# Altium PCB PCBV3.PcbDoc
Units mm, origin at the board's own origin, x right, y up, seen from the top; angles counter-clockwise.
Board outline 240.79 x 92.31 mm, 3 copper layers (Top Layer, Signal Layer 1, Bottom Layer), stack 0.488 mm thick; 105 components, 43 nets, 260 pads, 16 vias.
Unrouted connection lines stored in the file: 3.
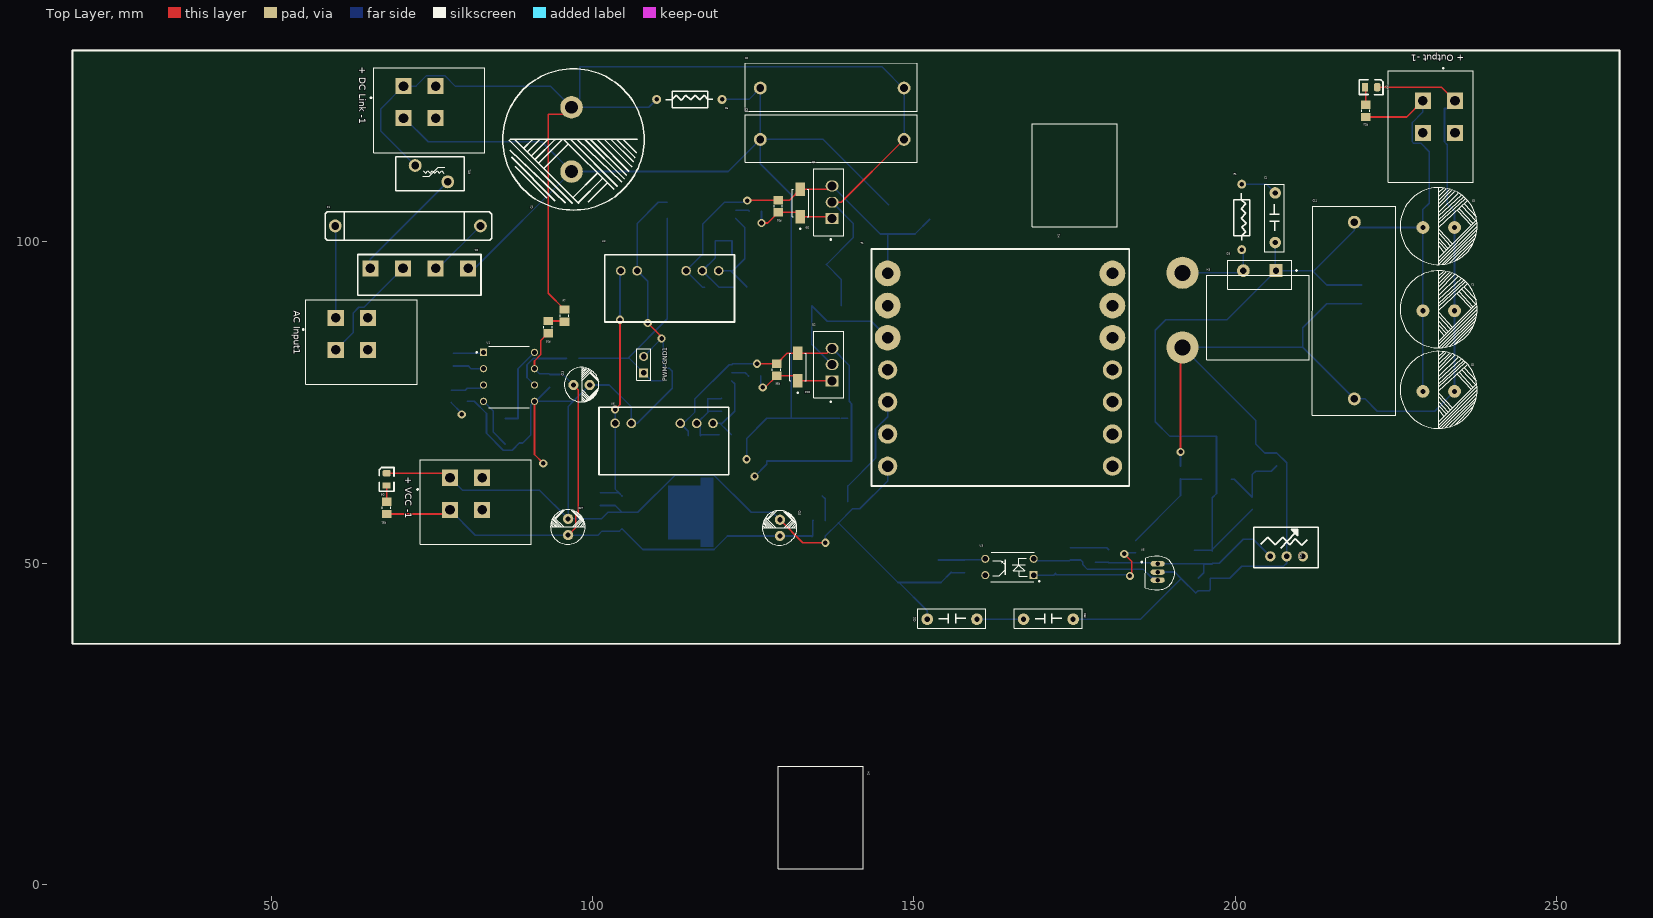
[diagram p0: Top Layer view]
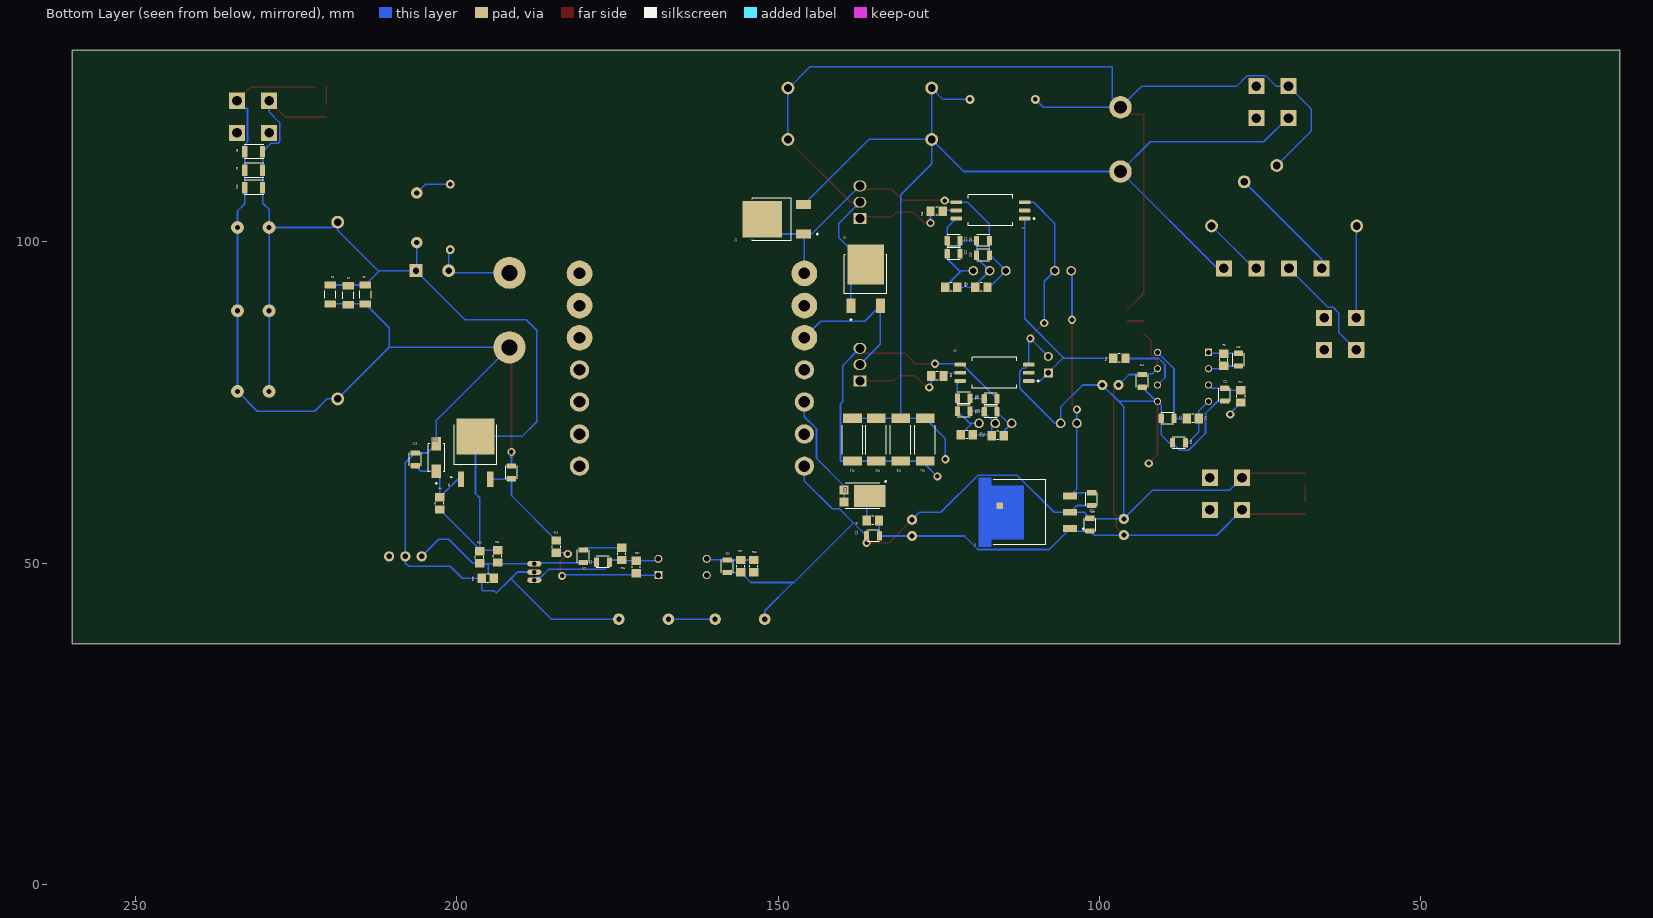
[diagram p1: Bottom Layer view, seen from below]
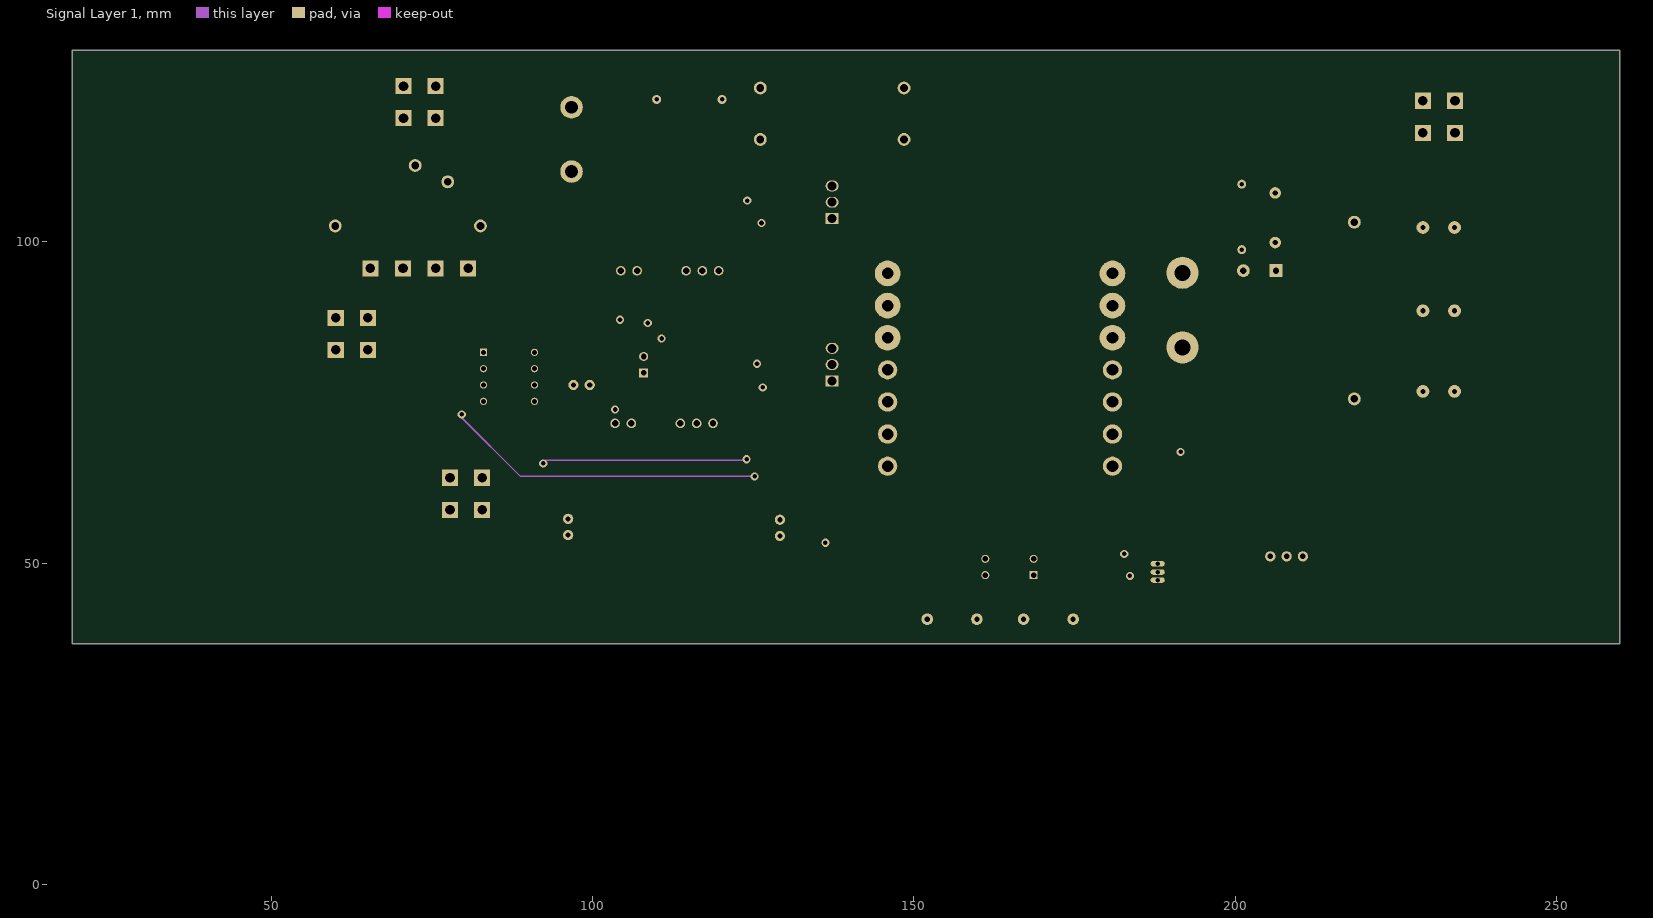
[diagram p2: Signal Layer 1]
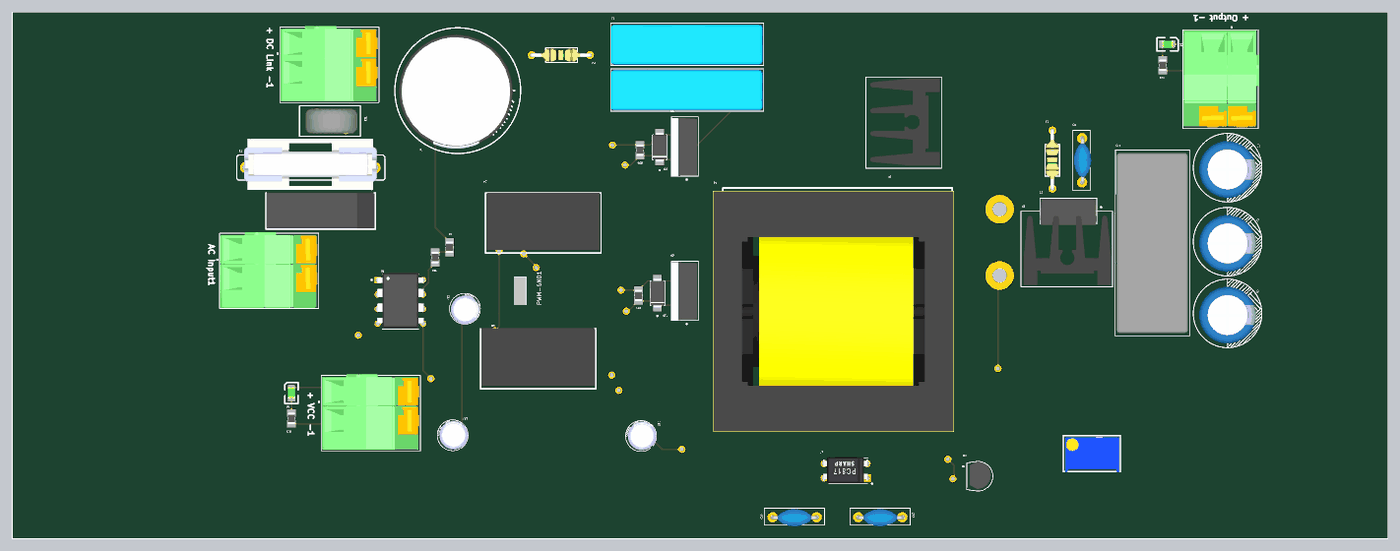
[diagram p3: 3D render of the assembled board from above, using the file's embedded part models]
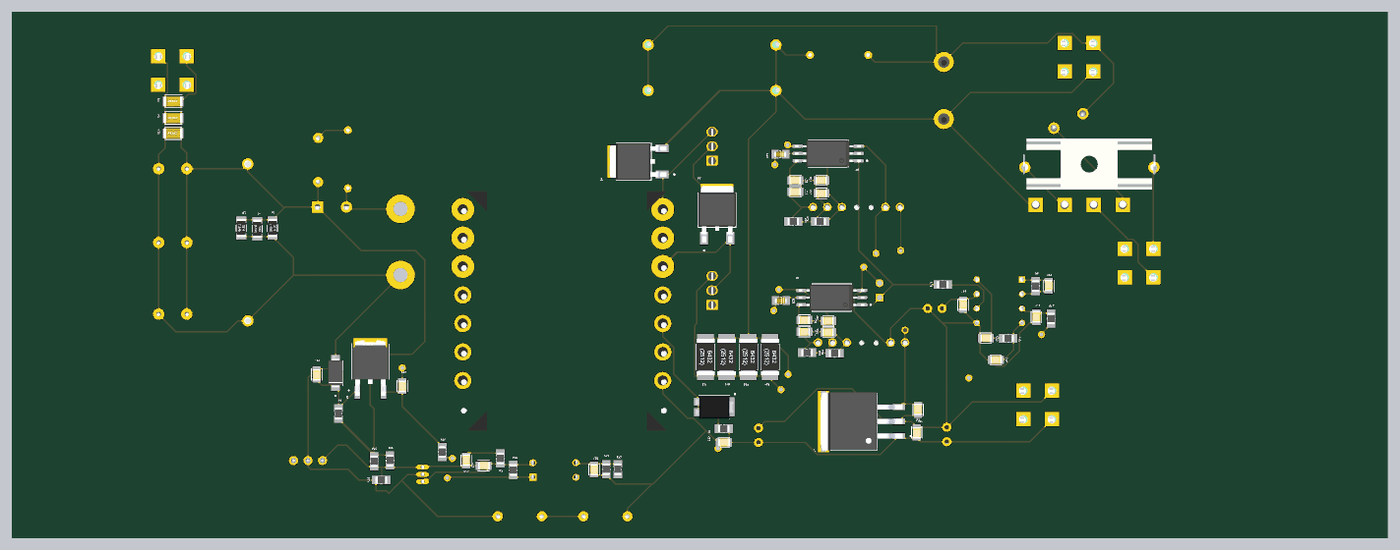
[diagram p4: 3D render of the assembled board from below, using the file's embedded part models]

## Layer stack, top to bottom
Top Solder: solder mask 0.0102, Solder Resist, Dk 3.5
Top Layer: signal copper 0.0356
Dielectric 1: core 0.254, FR-4, Dk 4.2
Signal Layer 1: signal copper 0.036
Dielectric 2: prepreg 0.127, Dk 4.2
Bottom Layer: signal copper 0.0356
Bottom Solder: solder mask 0.0102, Solder Resist, Dk 3.5

## Board outline
19.05,37.482 19.05,129.794 259.842,129.794 259.842,37.482

## Design rules (kind name [scope] priority, off if disabled: settings)
Clearance [All] p1: gap=0.254 ignorepadtopadclearanceinfootprint=FALSE except(0: Arc-Hole Track-Hole SMDPad-Hole THPad-Hole Via-Hole Fill-Hole Poly-Hole Region-Hole Text-Hole)
Height [All] p1: minheight=0 maxheight=404 prefheight=12.7
HoleSize [All] p1: absolutevalues=TRUE maxlimit=3 minlimit=0.025 maxpercent=80.000 minpercent=20.000
MinimumSolderMaskSliver [All] p1: minsoldermaskwidth=0.1
PolygonConnect [All] p1: connectstyle=Relief reliefconductorwidth=0.254 reliefentries=4 polygonreliefangle="90 Angle" airgapwidth=0.254
RoutingVias [All] p1: holewidth=0.711 width=1.27 viastyle="Through Hole" minholewidth=0.711 minwidth=1.27 maxholewidth=0.711 maxwidth=1.27
SilkToSilkClearance [All] p1: silktosilkclearance=0.1
SilkToSolderMaskClearance [IsPad] p1: minsilkscreentomaskgap=0.01 clearancetoexposedcopper=TRUE
SolderMaskExpansion [All] p1: expansion=0.102
Width [All] p1: maxlimit=0.254 minlimit=0.254 preferedwidth=0.254
25 further rules are at their usual default settings.

## Components (designator, comment, footprint, x,y, rotation, side; value= is the part's Value field where it differs from the comment)
"+ DC Link -1" "732-2088-ND" "Phoenix Contact 2x2 Male Straight" 74.39,118.578 r180 top
"+ Output -1" "732-2088-ND" "Phoenix Contact 2x2 Male Straight" 228.56,118.142 r90 top
"+ VCC -1" "732-2088-ND" "Phoenix Contact 2x2 Male Straight" 81.629,57.618 r180 top
"AC Input1" "732-2088-ND" "Phoenix Contact 2x2 Male Straight" 63.849,82.51 r180 top
C1 "(DIGIKEY Part Number)" "Capacitor Polyester High Voltage DIP" 206.248,103.759 r90 top value="33pF, 1000V"
C2 "CBB23" "Capacitor Film DIP 04" 148.111,123.952 r0 top value="100nF, 1000V"
C3 "CBB23" "Capacitor Film DIP 04" 148.111,115.951 r0 top value="100nF, 1000V"
C4 "493-2587-ND" "Capacitor Aluminum Electrolytic DIP 20*36.5*10" 97.028,115.951 r270 top value="470uF, 400V"
C5 "UHV1V271MPD1TA-ND" "Capacitor Aluminum Electrolytic DIP 10*13*5" 231.699,102.464 r0 top value="270uF, 35V"
C6 "UHV1V271MPD1TA-ND" "Capacitor Aluminum Electrolytic DIP 10*13*5" 231.699,76.962 r0 top value="270uF, 35V"
C7 "UHV1V271MPD1TA-ND" "Capacitor Aluminum Electrolytic DIP 10*13*5" 231.699,89.51 r0 top value="270uF, 35V"
C8 "478-KGM21NR71H104JTTR-ND" "Capacitor Ceramic SMD 1206" 231.638,114.046 r180 bottom value="100nF, 50V"
C9 "478-KGM21NR71H104JTTR-ND" "Capacitor Ceramic SMD 1206" 231.638,111.125 r180 bottom value="100nF, 50V"
C10 "478-KGM21NR71H104JTTR-ND" "Capacitor Ceramic SMD 1206" 231.638,108.458 r180 bottom value="100nF, 50V"
C11 "478-KGM21NR71H104JTTR-ND" "Capacitor Film DIP 06" 218.567,75.565 r90 top value="100nF, 50V"
C12 "GRM2195C1H103JA01D" "Capacitor Ceramic SMD 805" 135.255,54.229 r180 bottom value="10nF, 50V"
C13 "732-8851-1-ND" "Capacitor Aluminum Electrolytic DIP 5*7.5*2.5" 98.291,77.781 r0 top value="1uF, 50V"
C14 "399-C0805C104J5RAC7800TR-ND" "Capacitor Ceramic SMD 805" 93.345,78.359 r90 bottom value="0.1uF, 50V"
C15 "P15139-ND" "Capacitor Aluminum Electrolytic DIP 5*7.5*2.5" 129.102,55.492 r90 top value="68uF, 50V"
C16 "490-1642-2-ND" "Capacitor Ceramic SMD 805" 78.359,81.661 r90 bottom value="10nF, 25V"
C17 "478-KGM21NR71H104JTTR-ND" "Capacitor Ceramic SMD 805" 191.516,64.135 r270 bottom value="100nF, 50V"
C18 "KGM21NR71H683JT" "Capacitor Ceramic SMD 805" 206.502,66.167 r270 bottom value="68nF, 50V"
C19 "490-1627-2-ND" "Capacitor Ceramic SMD 805" 87.63,68.707 r180 bottom value="2nF, 25V"
C20 "311-3498-2-ND" "Capacitor Ceramic SMD 805" 89.408,72.517 r180 bottom value="1uF, 20V"
C21 "399-C0805C101J5GAC7800TR-ND" "Capacitor Ceramic SMD 805" 80.518,76.2 r90 bottom value="100pF, 50V"
C22 "C0805C104J5RAC7800" "Capacitor Ceramic SMD 805" 122.682,100.203 r0 bottom value="100nF, 50V"
C23 "CC0805JKX7R9BB105" "Capacitor Ceramic SMD 805" 122.682,98.171 r0 bottom value="1uF, 50V"
C24 "KGM21NR71H683JT" "Capacitor Ceramic SMD 805" 177.292,50.165 r180 bottom value="68 nF, 50V"
C25 "C0805C104J5RAC7800" "Capacitor Ceramic SMD 805" 101.219,59.944 r90 bottom value="100nF, 50V"
C26 "C0805C104J5RAC7800" "Capacitor Ceramic SMD 805" 180.34,51.054 r90 bottom value="100nF, 50V"
C27 "732-8851-1-ND" "Capacitor Aluminum Electrolytic DIP 5*7.5*2.5" 96.139,55.626 r90 top value="1uF, 50V"
C28 "C0805C104J5RAC7800" "Capacitor Ceramic SMD 805" 118.11,97.917 r0 bottom value="100nF, 50V"
C29 "490-18663-2-ND" "Capacitor Ceramic SMD 805" 101.473,56.001 r270 bottom value="10uF, 50V"
C30 "CC0805JKX7R9BB105" "Capacitor Ceramic SMD 805" 118.11,100.203 r0 bottom value="1uF, 50V"
C31 "C0805C104J5RAC7800" "Capacitor Ceramic SMD 805" 157.936,49.53 r270 bottom value="100nF, 50V"
C32 "(DIGIKEY Part Number)" "Capacitor Polyester High Voltage DIP" 155.956,41.275 r0 top value="2.2 nF, 50V"
C33 "(DIGIKEY Part Number)" "Capacitor Polyester High Voltage DIP" 170.942,41.275 r0 top value="2.2nF, 50V"
C34 "C0805C104J5RAC7800" "Capacitor Ceramic SMD 805" 121.102,73.66 r0 bottom value="100nF, 50V"
C35 "CC0805JKX7R9BB105" "Capacitor Ceramic SMD 805" 121.108,75.692 r0 bottom value="1uF, 50V"
C36 "C0805C104J5RAC7800" "Capacitor Ceramic SMD 805" 116.911,73.533 r0 bottom value="100nF, 50V"
C37 "CC0805JKX7R9BB105" "Capacitor Ceramic SMD 805" 116.917,75.565 r0 bottom value="1uF, 50V"
D1 "31-GBU10V08-TU-ND" "Bridge Rectifier 1Phase 600V 10A GBJ" 73.025,95.885 r180 top
D2 "DSEP6-06AS-TRL" "Diode SMD TO-252 (DPAK)" 136.398,94.234 r90 bottom
D3 "MBR10150_T0" "Diode DIP ITO-220AC" 203.835,94.869 r180 top
D4 "DSEP6-06AS-TRL" "Diode SMD TO-252 (DPAK)" 150.241,103.505 r0 bottom
D5 "PDS3100-13" "Diode SMD POWERDI5" 136.883,60.452 r180 bottom
D6 "BZT52C20-7-F" "Diode Zener SMD DO-214AC" 203.2,66.421 r90 bottom
D7 "L62505TR-ND" "LED SMD 805 01" 221.173,124.079 r90 top
D8 "L62505TR-ND" "LED SMD 805 01" 67.945,63.039 r180 top
D9 "BZT52C18-7-F" "Diode Zener SMD DO-214AC" 132.334,106.045 r90 top
D10 "BZT52C18-7-F" "Diode Zener SMD DO-214AC" 131.953,80.518 r90 top
F1 "F1730-ND" "Fuse Full DIP 02" 59.944,102.489 r0 top
H1 "(DIGIKEY Part Number)" "HEATSINK 05" 179.578,117.475 r270 top
H2 "(DIGIKEY Part Number)" "HEATSINK 05" 140.081,17.526 r270 top
H3 "(DIGIKEY Part Number)" "HEATSINK 05" 210.693,83.693 r180 top
PWM-GND1 "A105225-ND" "Header 01 1x2" 107.95,80.899 r180 top
Q1 "IPP50R280CEXKSA1-ND" "MOSFET DIP TO-220" 137.287,106.172 r90 top
Q2 "IPP50R280CEXKSA1-ND" "MOSFET DIP TO-220" 137.287,80.899 r90 top
Q3 "2STD1665T4" "BJT NPN SMD DPAK TO-252" 197.104,67.253 r180 bottom
R1 "(DIGIKEY Part Number)" "Resistor DIP 0.25W 01" 201.041,103.886 r270 top value=100
R2 "P200KDATR-ND" "Resistor DIP 0.25W 01" 115.062,122.174 r0 top value="200 K"
R3 "RMCF2010JT1K20" "Resistor SMD 1206" 219.71,91.821 r270 bottom value="1.2 K"
R4 "RMCF2010JT1K20" "Resistor SMD 1206" 216.916,91.694 r270 bottom value="1.2 K"
R5 "RMCF2010JT1K20" "Resistor SMD 1206" 214.249,91.821 r270 bottom value="1.2 K"
R6 "(DIGIKEY Part Number)" "Resistor SMD 805" 135.255,56.642 r180 bottom value=10
R7 "P47KDATR-ND" "Resistor SMD 805" 95.631,88.519 r270 top value="47 K"
R8 "RG20P10.0KBTR-ND" "Resistor SMD 805" 80.645,81.661 r90 bottom value="10 K"
R9 "P2.7KDATR-ND" "Resistor SMD 805" 202.692,59.309 r90 bottom value="2.7 K"
R10 "P47KDATR-ND" "Resistor SMD 805" 93.091,86.741 r270 top value="47 K"
R11 "TC0525B1001T5G" "Resistor SMD 805" 96.901,81.915 r0 bottom value="1 K"
R12 "TC0550D8201T5F" "Resistor SMD 805" 85.471,72.503 r0 bottom value="8.2 K"
R13 "13-RT1206BRE071RL-ND" "Resistor SMD 2512" 138.43,69.215 r270 bottom value="1 Ohm"
R14 "13-RT1206BRE071RL-ND" "Resistor SMD 2512" 127.127,69.215 r270 bottom value="1 Ohm"
R15 "13-RT1206BRE071RL-ND" "Resistor SMD 2512" 130.937,69.215 r270 bottom value="1 Ohm"
R16 "13-RT1206BRE071RL-ND" "Resistor SMD 2512" 134.747,69.215 r270 bottom value="1 Ohm"
R17 "RG20P10.0KBTR-ND" "Resistor SMD 805" 77.978,75.946 r90 bottom value="10 K"
R18 "P2.7KDATR-ND" "Resistor SMD 805" 184.531,52.578 r270 bottom value="2.7 K"
R19 "TC0525B1001T5G" "Resistor SMD 805" 123.063,92.964 r0 bottom value="1 K"
R20 "ERA-6AEB473V" "Resistor SMD 805" 196.469,50.927 r270 bottom value="47 K"
R21 "ERA-6AEB473V" "Resistor SMD 805" 193.675,51.054 r270 bottom value="47 K"
R22 "P2.7KDATR-ND" "Resistor SMD 805" 172.085,49.403 r90 bottom value="2.7 K"
R23 "RG20P10.0KBTR-ND" "Resistor SMD 805" 153.797,49.53 r90 bottom value="10 K"
R24 "ERJ-P06F3002V-" "Resistor SMD 805" 220.345,120.396 r90 top value="30 K"
R25 "TC0525B1001T5G" "Resistor SMD 805" 118.364,92.964 r0 bottom value="1 K"
R26 "P200KDATR-ND" "Resistor SMD 805" 174.356,51.435 r90 bottom value="200 K"
R27 "ERA-6AEB102V" "Resistor SMD 805" 155.829,49.53 r270 bottom value="1 K"
R28 "(DIGIKEY Part Number)" "Resistor Variable DIP 02" 208.026,51.054 r0 top value=20K
R29 "ERA-6AEB272V" "Resistor SMD 805" 195.199,47.625 r0 bottom value="2.7 K"
R30 "TC0525B1001T5G" "Resistor SMD 805" 120.65,69.977 r0 bottom value="1 K"
R31 "ERJ-P06F3002V-" "Resistor SMD 805" 67.945,58.594 r90 top value="30 K"
R32 "TC0525B1001T5G" "Resistor SMD 805" 115.824,69.85 r0 bottom value="1 K"
R33 "749-1374-2-ND" "Resistor SMD 1206 MELF 01" 125.349,104.775 r180 bottom value=5.6
R34 "RG2012P-103-B-T5" "Resistor SMD 805" 128.905,105.537 r90 top value="10 K"
R35 "749-1374-2-ND" "Resistor SMD 1206 MELF 01" 125.222,79.121 r180 bottom value=5.6
R36 "RG2012P-103-B-T5" "Resistor SMD 805" 128.651,80.09 r90 top value="10 K"
RT1 "118-BN-LG10Y2R0MYB-ND" "NTC Thermistor DIP 01" 73.787,109.347 r180 top
T1 "Transformer" "Transformer EE42/21/20" 145.923,95.09 r0 top
U1 "UC3844BN" "PWM Controller UC3844 DIP 01" 86.995,78.994 r0 top
U2 "MGJ2 Series" "Linear Regulator Isolated Module DC-DC DIP 02" 104.394,95.504 r0 top
U3 "PS2501-1-H-A" "Optoisolators DIP 01" 169.926,48.133 r180 top
U4 "LM2940SX-12/NOPBTR-ND" "Linear Regulator DIP TO-263" 111.125,57.912 r0 bottom
U5 "(DIGIKEY Part Number)" "TL431 DIP" 187.96,48.641 r270 top
U6 "MGJ2 Series" "Linear Regulator Isolated Module DC-DC DIP 02" 103.505,71.755 r0 top
U7 "IS341WTR-ND" "Gate Driver IS341W SO6 Stretched" 116.967,104.902 r0 bottom
U8 "IS341WTR-ND" "Gate Driver IS341W SO6 Stretched" 116.332,79.629 r0 bottom

## Footprints (in the part's own frame and the unit in brackets; to place one, negate y for a bottom-side part, rotate by r counter-clockwise, add the part's x,y. Pads: shape width x height; smd on the part's side, far side on the other; paste and mask are expansions set on the pad)
"BJT NPN SMD DPAK TO-252" [mm]
  rect 0.98x2.4 smd: 1(-2.28,-4.2) 2(2.28,-4.2)
  rect 5.86x5.57 smd paste-4: 3(0,2.47)
  silkscreen extent -3.89,-4 3.3,4.27, body extent -3.25,-4.87 3.25,4.86, height 2.17
"Bridge Rectifier 1Phase 600V 10A GBJ" [mm]
  rect 2.5x2.5 hole 1.5: 1(-2.54,0) 2(2.54,0) 3(-7.62,0) 4(7.62,0)
  silkscreen extent -9.6,-2.16 9.55,4.17, body extent -9.5,-2.24 9.5,4.02, height 16.75
"Capacitor Aluminum Electrolytic DIP 5*7.5*2.5" [mm]
  round 1.6 hole 0.8: 1(-1.263,-0.057) 2(1.263,-0.057)
  silkscreen extent -2.7,-2.7 2.7,2.7, body extent -2.48,-2.66 2.53,2.34, height 9.21
"Capacitor Aluminum Electrolytic DIP 10*13*5" [mm]
  round 2 hole 0.8: 1(-2.464,-0.229) 2(2.464,-0.229)
  silkscreen extent -6,-6 6,6, body extent -5,-5.3 5,4.7, height 14
"Capacitor Aluminum Electrolytic DIP 20*36.5*10" [mm]
  round 3.5 hole 2: 1(-5,-0.305) 2(5,-0.305)
  silkscreen extent -11,-11 11,11, body extent -9.85,-10.33 10.16,9.67, height 2
"Capacitor Ceramic SMD 805" [mm]
  rrect25% 0.8x1.47 smd: 1(-0.98,0) 2(1.01,0)
  silkscreen extent -1,-0.91 1,0.91, body extent -0.94,-0.69 1.09,0.71, height 1.23
"Capacitor Ceramic SMD 1206" [mm]
  rect 0.8x1.8 smd: 1(-1.4,0) 2(1.4,0)
  silkscreen extent -1.43,-1.11 1.57,1.11, body extent -1.7,-0.9 1.7,0.9, height 0.87
"Capacitor Film DIP 04" [mm]
  round 2 hole 1.2: 1(-22,0) 2(0.375,0)
  silkscreen extent -24.35,-3.59 2.45,3.82, body extent -24.27,-3.4 2.22,3.6, height 16
"Capacitor Film DIP 06" [mm]
  round 2 hole 1.2: 1(0,0) 2(27.5,0)
  silkscreen extent -2.54,-6.48 30,6.52, body extent -2.02,-6.2 29.47,6.3, height 21.5
"Capacitor Polyester High Voltage DIP" [mm]
  round 1.8 hole 0.8: 1(-3.861,0) 2(3.861,0)
  silkscreen extent -5.33,-1.4 5.24,1.6, body extent -4.05,-1.58 4.05,1.42, height 9
"Diode DIP ITO-220AC" [mm]
  round 1.995 hole 1: 1(2.54,-0.655)
  rect 1.995x1.995 hole 1: 2(-2.54,-0.655)
  silkscreen extent -5.82,-2.25 4.97,2.25, body extent -4.97,-2.09 4.97,2.41, height 19.6
"Diode SMD POWERDI5" [mm]
  rect 1.4x1.39 smd: 1(-2.862,-0.92) 1(-2.862,0.92)
  rect 4.86x3.36 smd: 2(1.12,0)
  silkscreen extent -2.69,-2 3.7,2.37, body extent -3.3,-2.05 3.3,2, height 1.12
"Diode SMD TO-252 (DPAK)" [mm]
  rect 2.29x1.4 smd: 1(-4.19,-2.285) 2(-4.19,2.285)
  rect 6.18x5.69 smd paste-4: 2(2.245,0)
  silkscreen extent -6.43,-3.3 3.79,3.3, body extent -4.95,-3.25 4.95,3.25, height 2.38
"Diode Zener SMD DO-214AC" [mm]
  rect 2.09x1.5 smd: 1(2.13,0) 2(-2.13,0)
  silkscreen extent -4.1,-1.28 2.16,1.28, body extent -2.57,-1.28 2.57,1.28, height 2.5
"Fuse Full DIP 02" [mm]
  round 2 hole 1.2: 1(0,0) 2(22.6,0)
  silkscreen extent -1.56,-2.2 24.36,2.22, body extent -0.26,-3.95 22.9,5.05, height 9.44
"Gate Driver IS341W SO6 Stretched" [mm]
  rrect50% 1.8x0.59 smd: 1(-5.33,1.27) 2(-5.33,0) 3(-5.33,-1.27) 4(5.33,-1.27) 5(5.33,0) 6(5.33,1.27)
  silkscreen extent -6.9,-2.42 3.47,2.42, body extent -5.7,-2.29 5.8,2.29, height 3.3
"Header 01 1x2" [mm]
  rect 1.398x1.398 hole 0.89: 1(0,1.27)
  round 1.398 hole 0.89: 2(0,-1.27)
  silkscreen extent -1.07,-2.44 1.07,2.44, body extent -1.07,-2.44 1.06,2.44, height 11.08
"HEATSINK 05" [mm]
  silkscreen extent -0.87,-11.15 15.12,2.07, body extent -0.63,-10.45 14.67,1.81, height 25
"LED SMD 805 01" [mm]
  rect 1.27x1 smd: 1(0,0.95)
  rrect50% 1.27x1 smd: 2(0,-0.95)
  silkscreen extent -1.15,-1.85 1.14,1.85, body extent -0.62,-1.05 0.63,0.95, height 0.8
"Linear Regulator DIP TO-263" [mm]
  rect 2.16x1.07 smd: 1(-6.545,2.54) 2(-6.545,0) 3(-6.545,-2.54)